# Altium PCB PCB_Core.PcbDoc (part 1 of 2)
Units mil, origin at the board's own origin, x right, y up, seen from the top; angles counter-clockwise.
Board outline 3149.61 x 3149.61 mil, 4 copper layers (Top Layer 1, GND, Power, Bottom Layer 1), stack 59.528 mil thick; 122 components, 101 nets, 562 pads, 232 vias.
Unrouted connection lines stored in the file: 17.
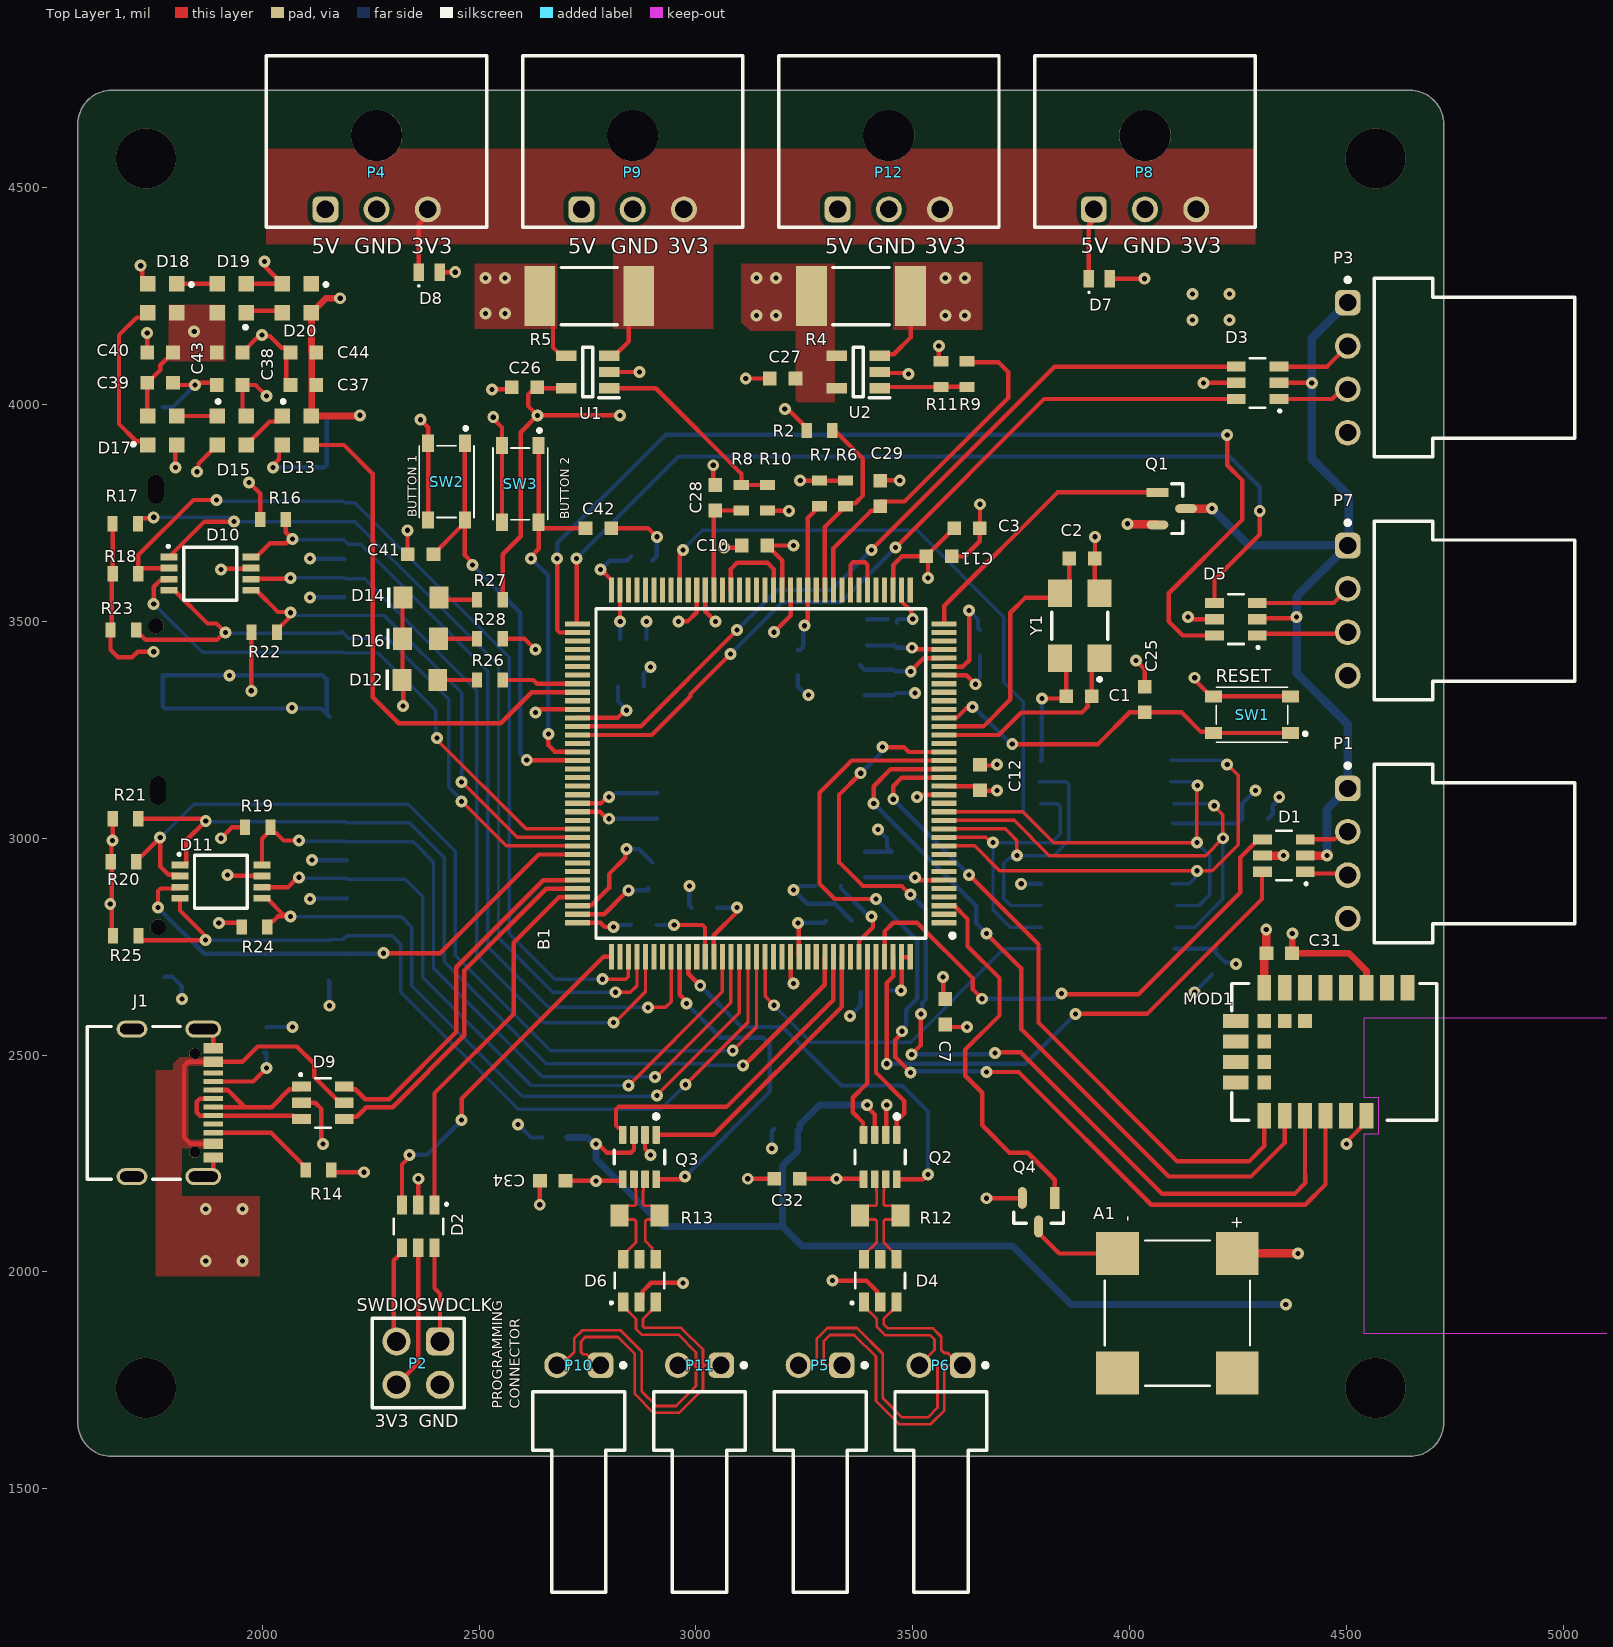
[diagram p0: Top Layer 1 view]
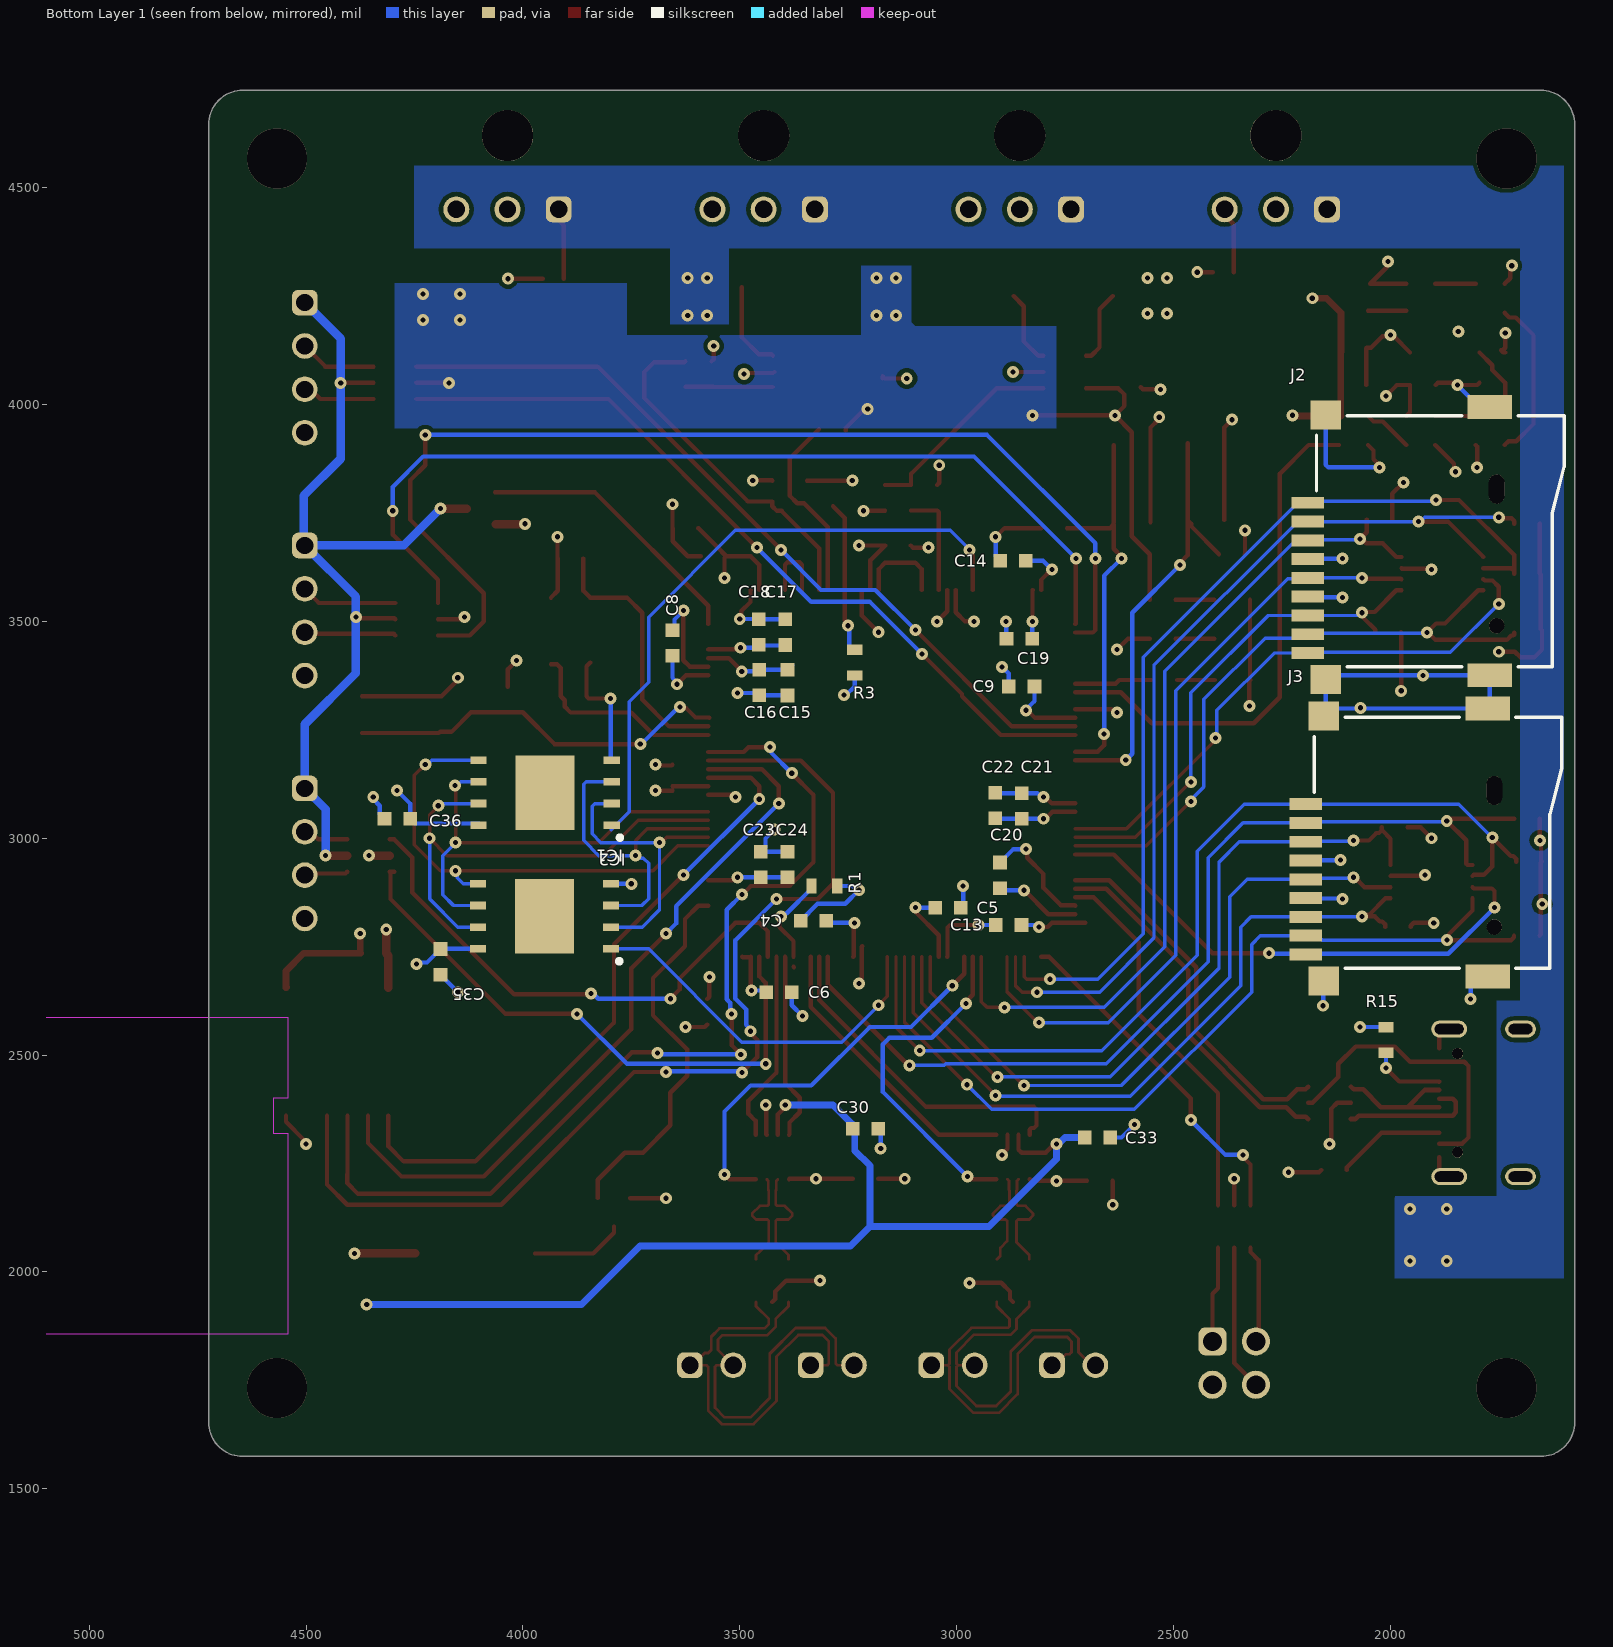
[diagram p1: Bottom Layer 1 view, seen from below]
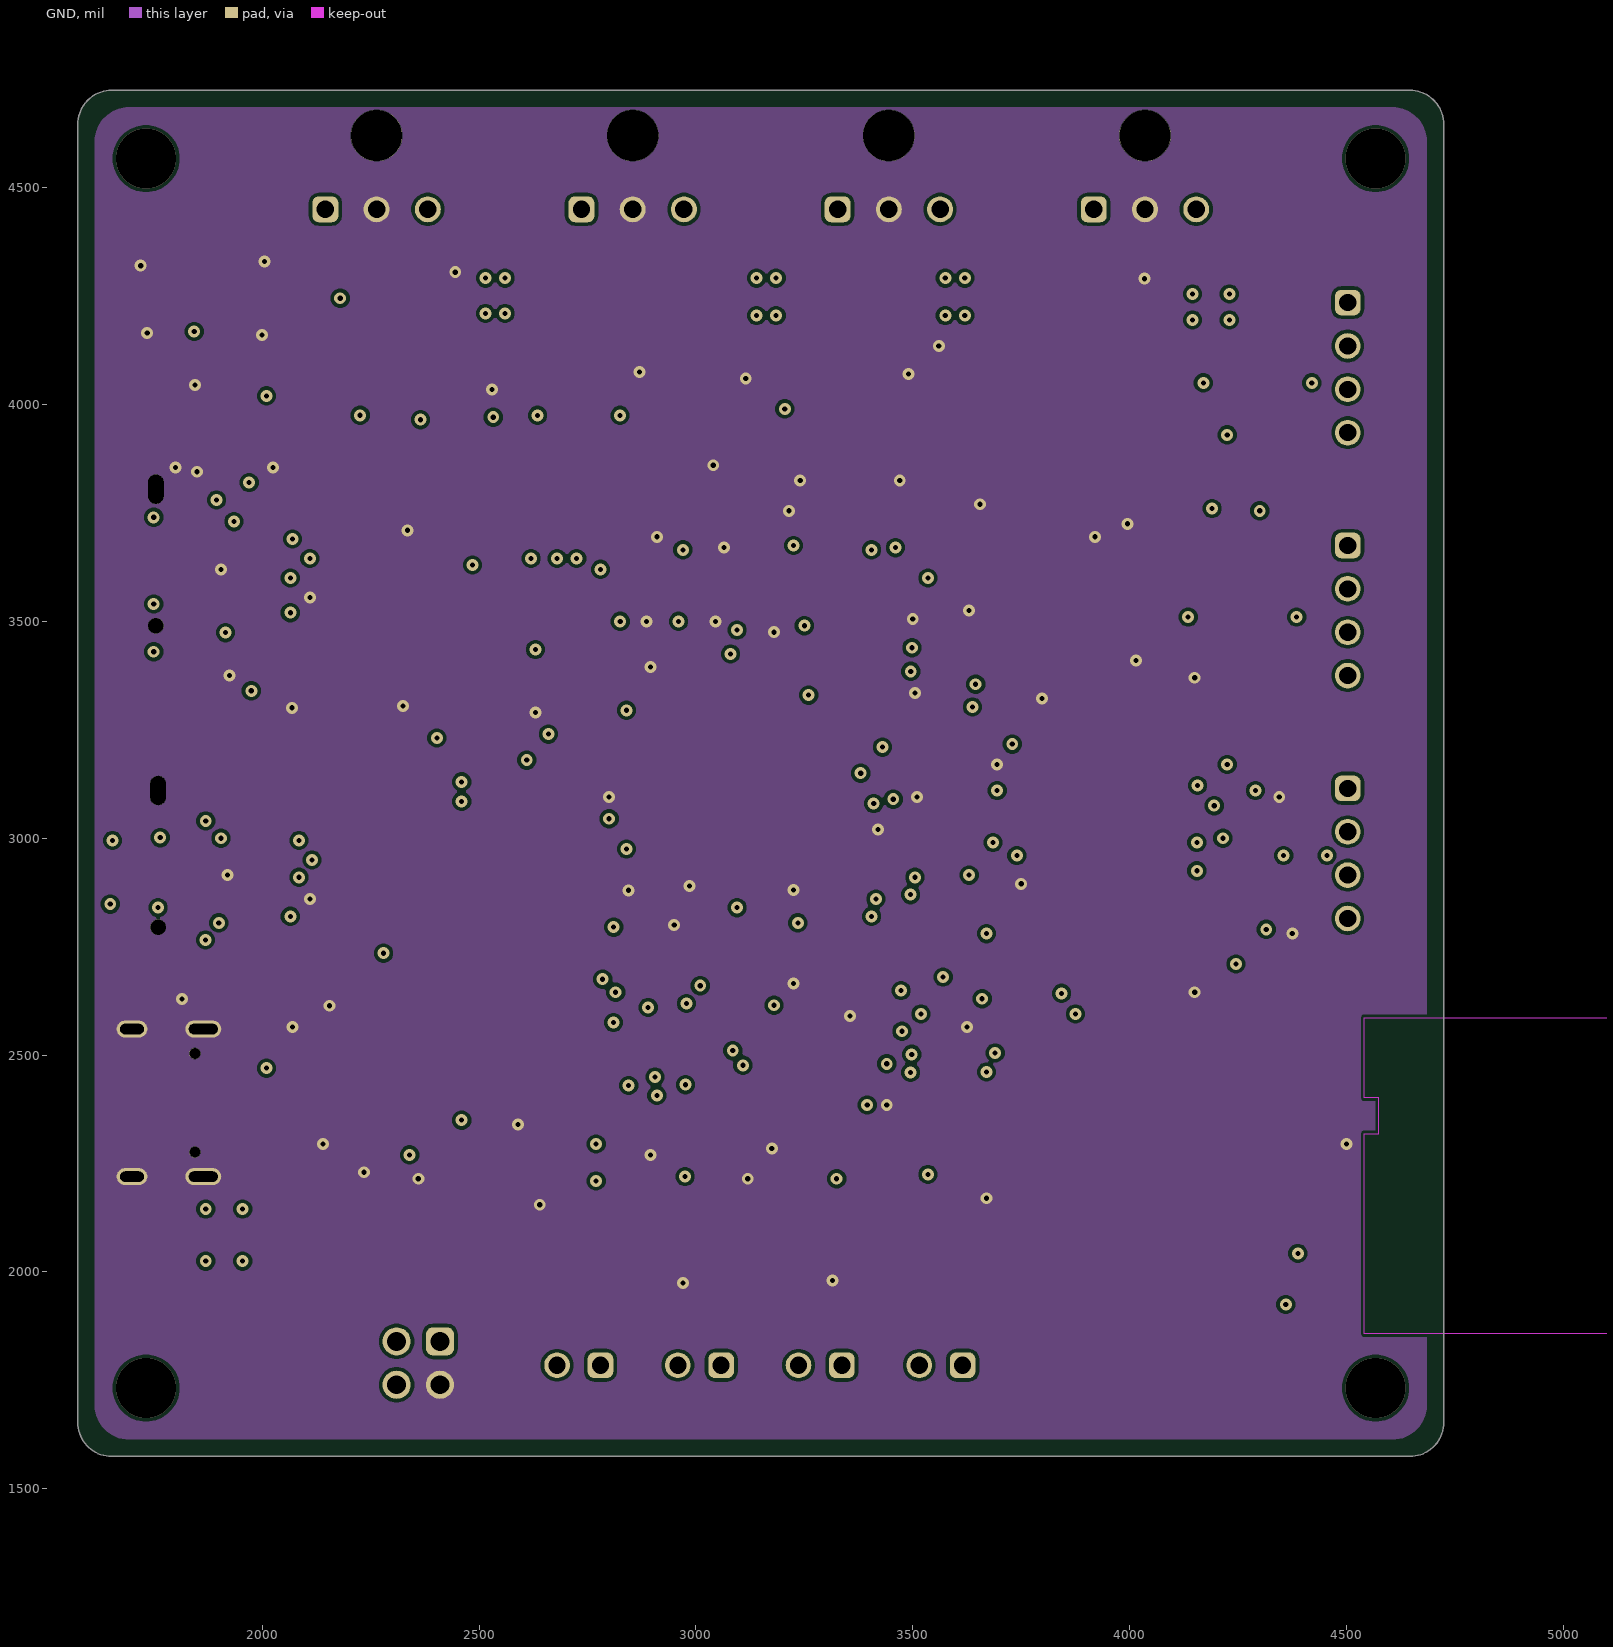
[diagram p2: GND]
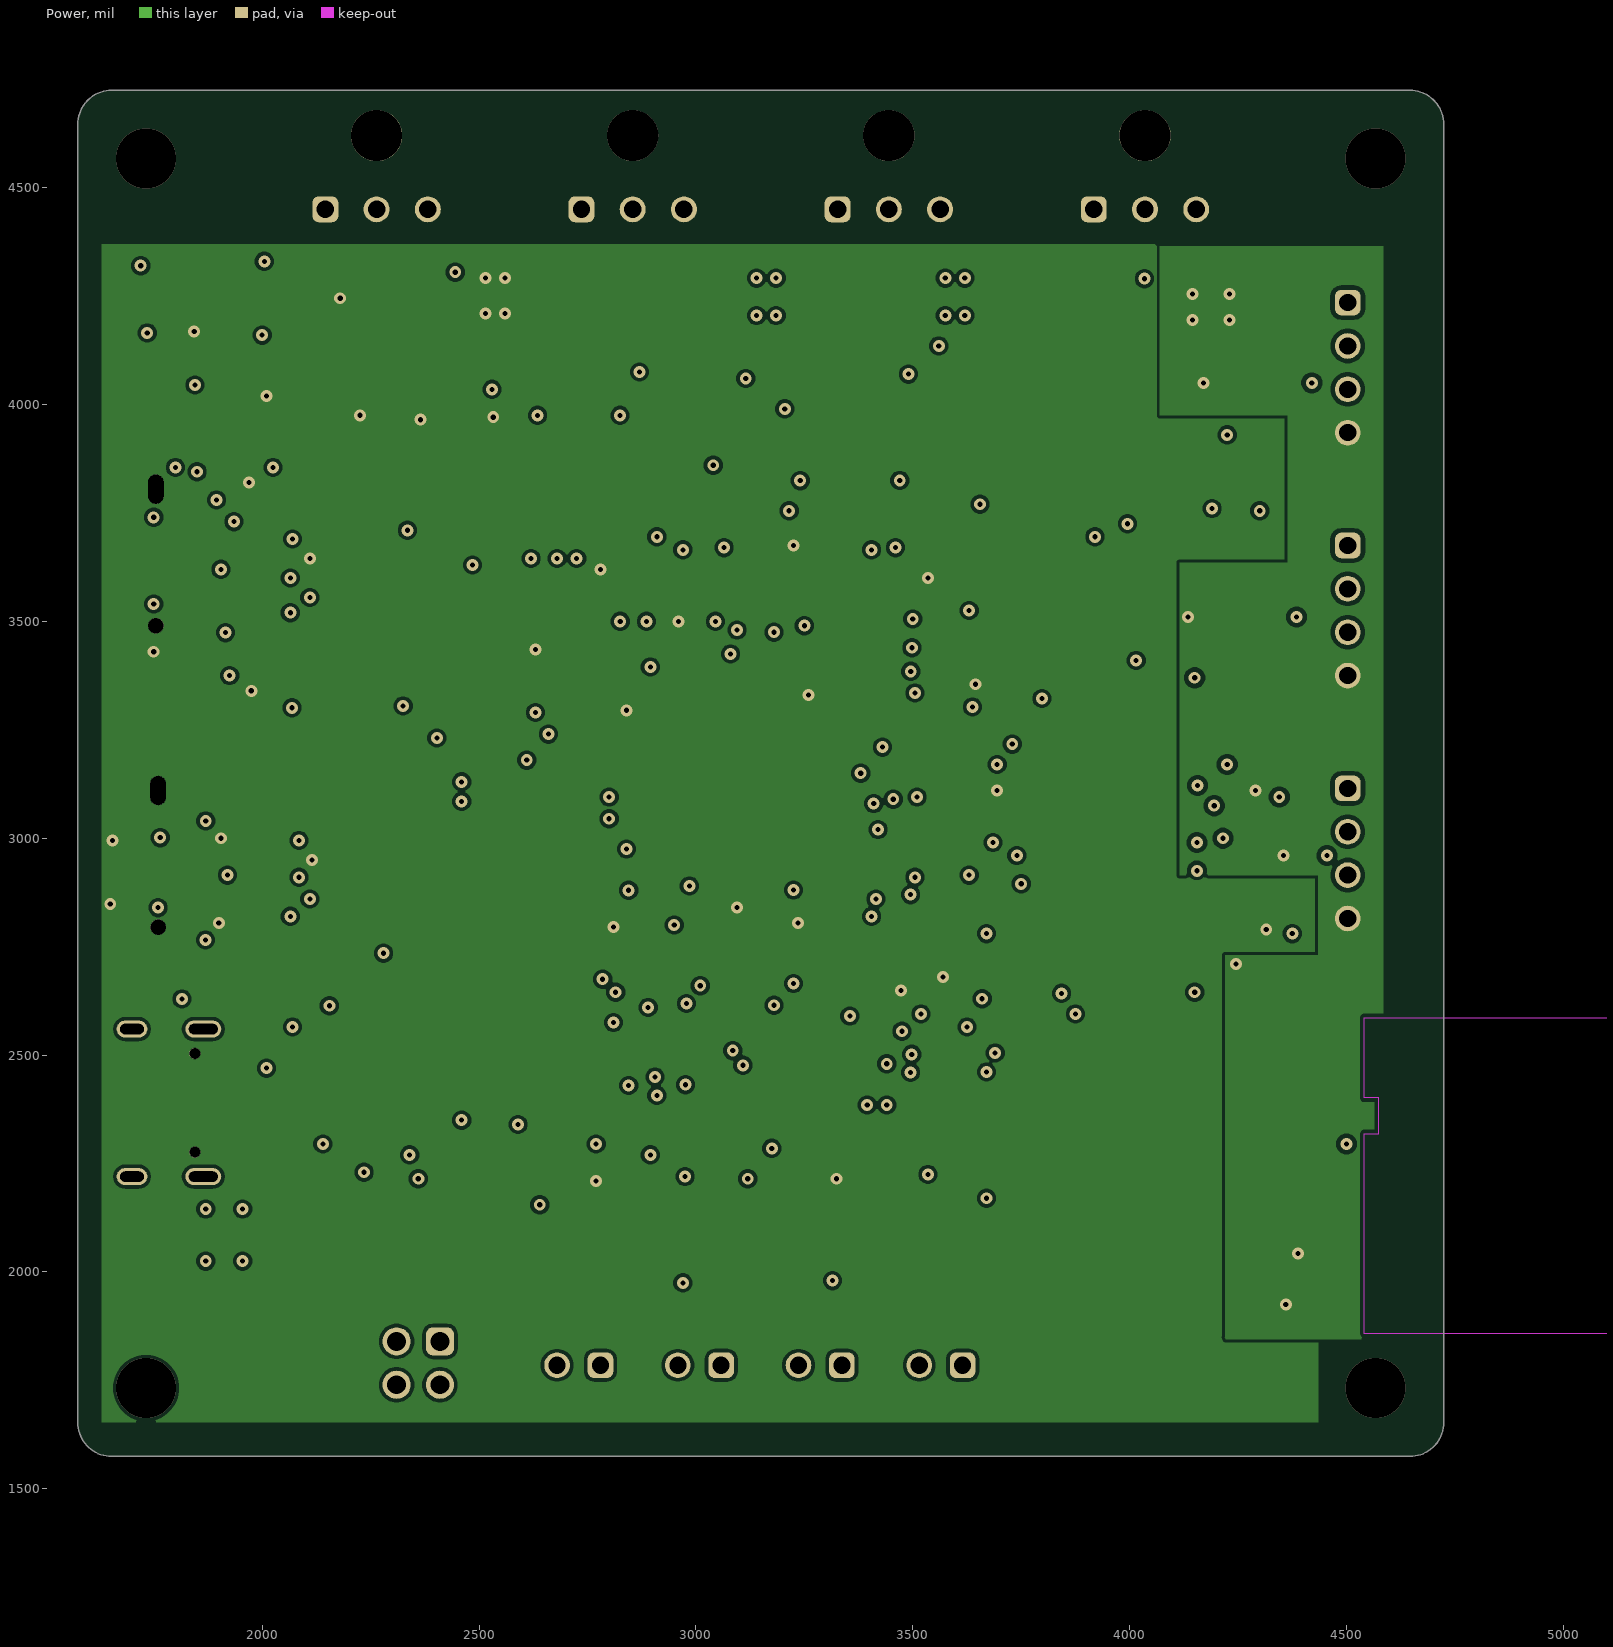
[diagram p3: Power]
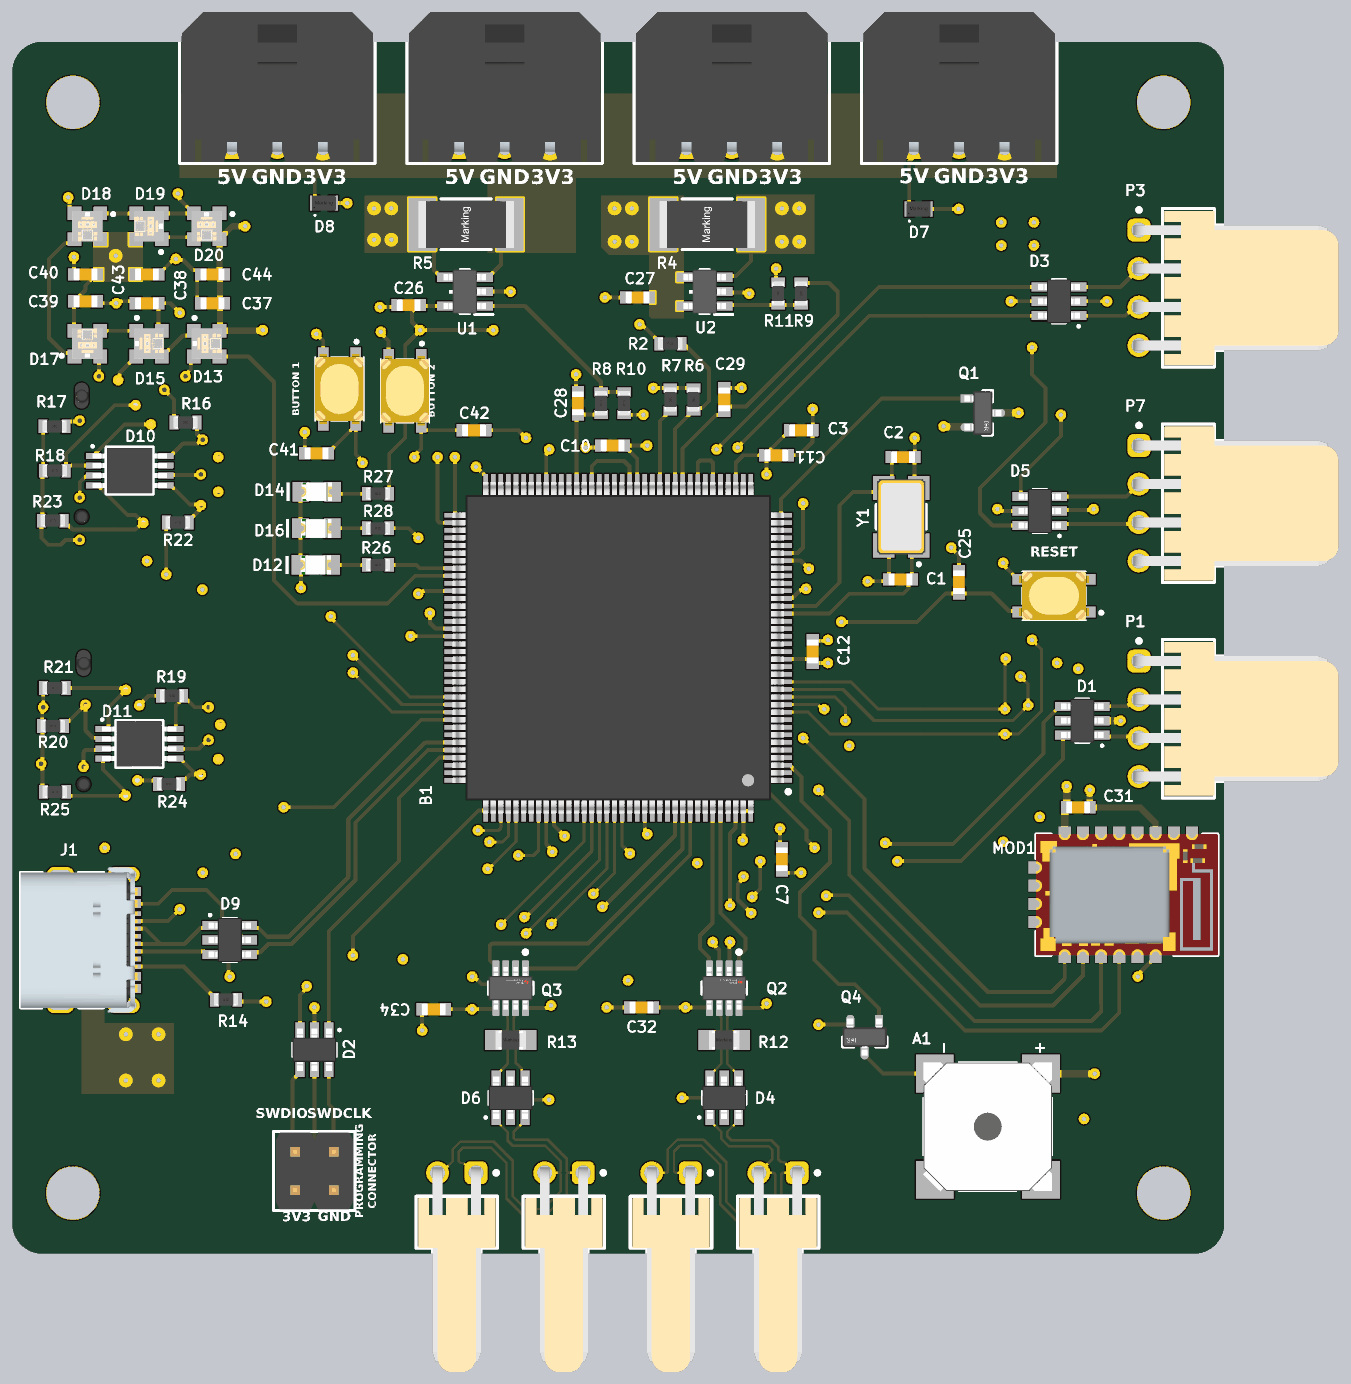
[diagram p5: 3D render of the assembled board from above, using the file's embedded part models]
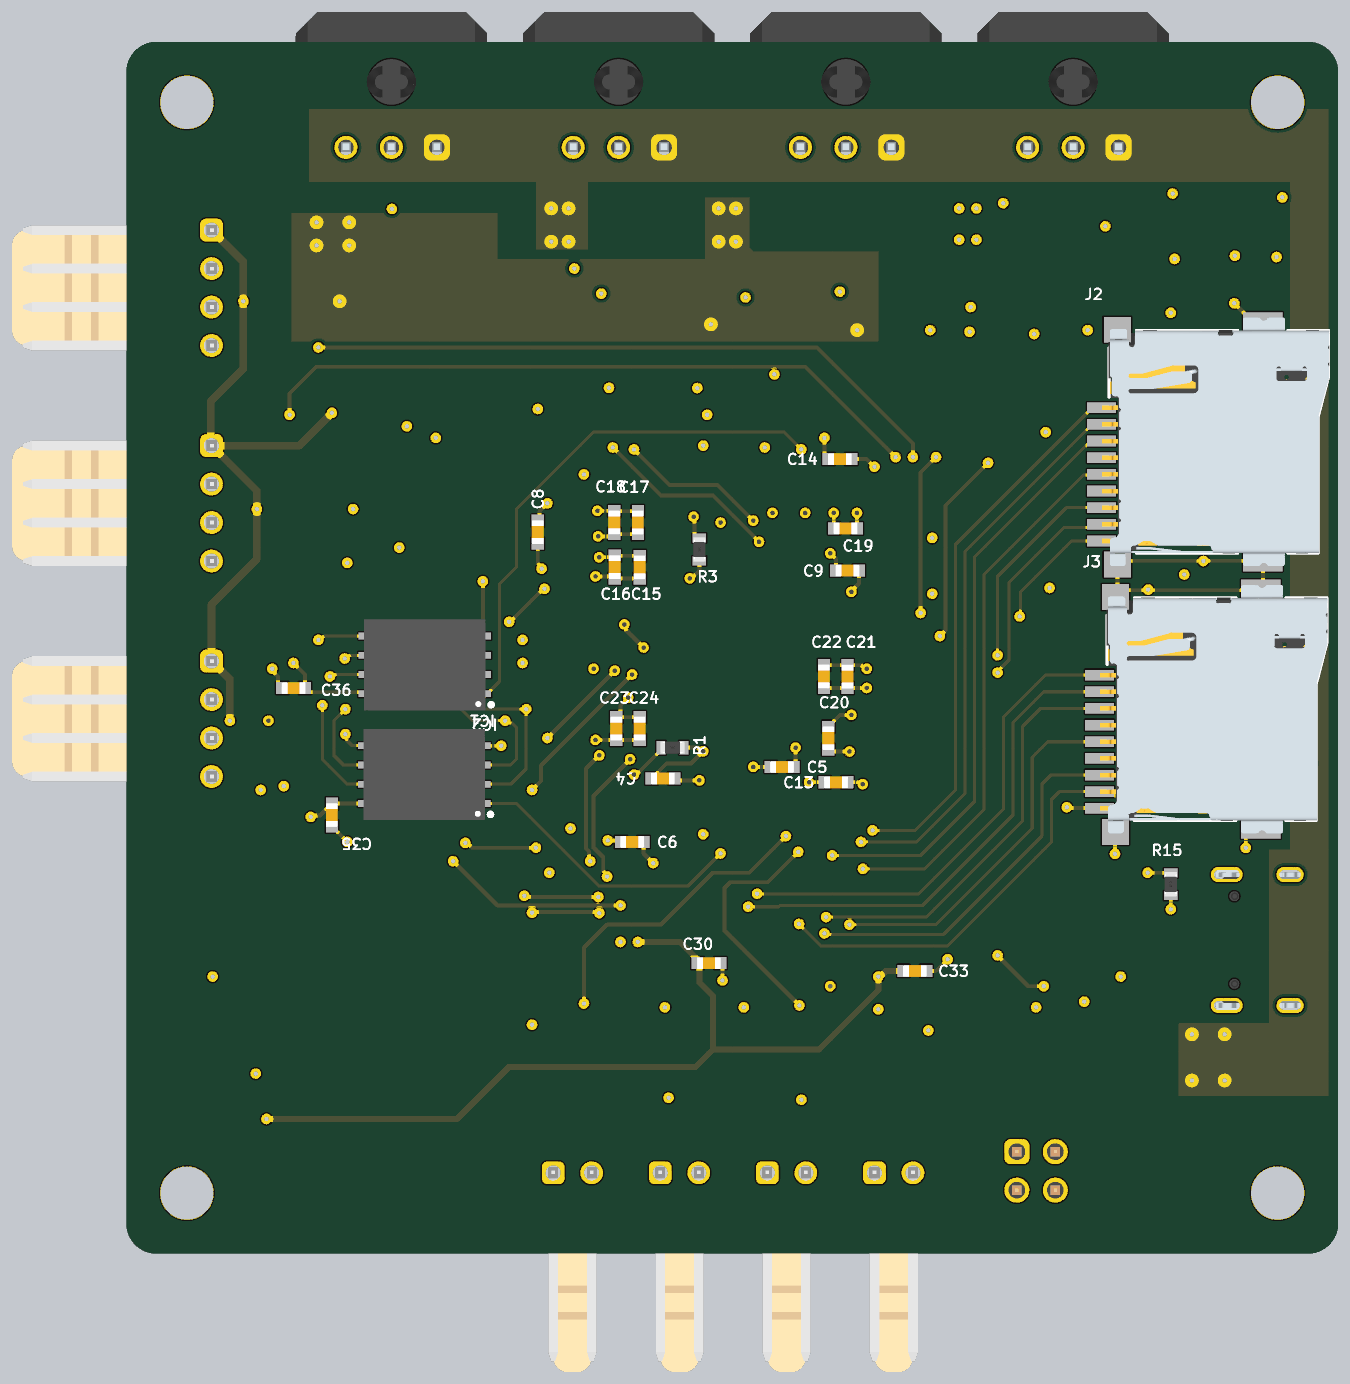
[diagram p6: 3D render of the assembled board from below, using the file's embedded part models]

## Layer stack, top to bottom
Top Solder: solder mask 0.4, Solder Resist, Dk 3.5
Top Layer 1: signal copper 0.7087
Dielectric 2: prepreg 4.7244, PP-006, Dk 4.1
GND: signal copper 0.7087
Dielectric 1: prepreg 47.2441, PP-001, Dk 3.9
Power: signal copper 0.7087
Dielectric 3: prepreg 4.7244, PP-006, Dk 4.1
Bottom Layer 1: signal copper 0.7087
Bottom Solder: solder mask 0.4, Solder Resist, Dk 3.5

## Board outline
1574.8,1653.54 1574.8,4645.67 cw(c1653.54,4645.67) 1653.54,4724.41 4645.67,4724.41 cw(c4645.67,4645.67) 4724.41,4645.67 4724.41,1653.54 cw(c4645.67,1653.54) 4645.67,1574.8 1653.54,1574.8 cw(c1653.54,1653.54)

## Design rules (kind name [scope] priority, off if disabled: settings)
AssemblyTestPointUsage [All] p1: isadvanced=TRUE
AssemblyTestpoint [All] p1: isadvanced=TRUE testpointundercomponent=TRUE minsize=40 maxsize=100 preferedsize=60 minholesize=0 maxholesize=40 preferedholesize=32 testpointgrid=1 usegrid=TRUE gridtolerance=0.01 allowsidetop=TRUE allowsidebottom=TRUE
Clearance Clearance_4 [All] p1: isadvanced=TRUE gap=7.87 ignorepadtopadclearanceinfootprint=TRUE except(0: Arc-Hole Track-Hole SMDPad-Hole THPad-Hole Via-Hole Fill-Hole Poly-Hole Region-Hole Text-Hole Hole-Hole)
Clearance Clearance_3 [All] p2: isadvanced=TRUE gap=10 ignorepadtopadclearanceinfootprint=TRUE except(0: Arc-Hole Track-Hole SMDPad-Hole THPad-Hole Via-Hole Fill-Hole Poly-Hole Region-Hole Text-Hole Hole-Hole; 7.87: Arc-Arc Arc-Track Arc-Text Track-Track Track-Text Text-Text)
Clearance Clearance_2 [All] p3: isadvanced=TRUE gap=0 ignorepadtopadclearanceinfootprint=TRUE except(10: Arc-Fill Arc-Poly Arc-Region Track-Fill Track-Poly Track-Region SMDPad-Fill SMDPad-Poly SMDPad-Region THPad-Fill THPad-Poly THPad-Region Via-Fill Via-Poly Via-Region Fill-Text Poly-Text Region-Text)
Clearance Clearance_1 [All] p4: isadvanced=TRUE gap=0 ignorepadtopadclearanceinfootprint=TRUE
Clearance Clearance_5 [(ExistsOnLayer('GND') Or ExistsOnLayer('Power')) vs (ExistsOnLayer('GND') Or ExistsOnLayer('Power'))] p5: isadvanced=TRUE gap=10 ignorepadtopadclearanceinfootprint=FALSE except(0: Arc-Hole Track-Hole SMDPad-Hole THPad-Hole Via-Hole Fill-Hole Poly-Hole Region-Hole Text-Hole Hole-Hole)
Clearance Clearance_6 [(ExistsOnLayer('Top Layer 1') Or ExistsOnLayer('Bottom Layer 1')) vs (ExistsOnLayer('Top Layer 1') Or ExistsOnLayer('Bottom Layer 1'))] p6: isadvanced=TRUE gap=10 ignorepadtopadclearanceinfootprint=FALSE except(0: Arc-Hole Track-Hole SMDPad-Hole THPad-Hole Via-Hole Fill-Hole Poly-Hole Region-Hole Text-Hole Hole-Hole)
Clearance Clearance_1 [(ExistsOnLayer('GND') Or ExistsOnLayer('Power')) vs (ExistsOnLayer('GND') Or ExistsOnLayer('Power'))] p7: gap=10 ignorepadtopadclearanceinfootprint=FALSE except(0: Arc-Hole Track-Hole SMDPad-Hole THPad-Hole Via-Hole Fill-Hole Poly-Hole Region-Hole Text-Hole Hole-Hole) sourcerule=61 cellrowname=All cellrowtype=0 cellcolname=All cellcoltype=0 innerlayers=TRUE
Clearance Clearance_2 [(ExistsOnLayer('Top Layer 1') Or ExistsOnLayer('Bottom Layer 1')) vs (ExistsOnLayer('Top Layer 1') Or ExistsOnLayer('Bottom Layer 1'))] p8: gap=10 ignorepadtopadclearanceinfootprint=FALSE except(0: Arc-Hole Track-Hole SMDPad-Hole THPad-Hole Via-Hole Fill-Hole Poly-Hole Region-Hole Text-Hole Hole-Hole) sourcerule=61 cellrowname=All cellrowtype=0 cellcolname=All cellcoltype=0 outerlayers=TRUE
Clearance [All] p9: gap=10 ignorepadtopadclearanceinfootprint=FALSE ismatrix=TRUE
ComponentClearance [All] p1: isadvanced=TRUE gap=10 collisioncheckmode=3 verticalgap=10 showdistances=FALSE
DiffPairsRouting DifferentialPairsRouting_2 [All] p1: isadvanced=TRUE maxlimit=7.87 minlimit=5 mostfreqgap=7.87 toplayer_mingap=7.87 toplayer_minwidth=10.63 toplayer_maxwidth=10.63 toplayer_prefwidth=10.63 midlayer1_maxgap=5 midlayer1_prefgap=5 midlayer1_minwidth=5.01 midlayer1_maxwidth=5.01 midlayer1_prefwidth=5.01 midlayer2_maxgap=5 midlayer2_prefgap=5 midlayer2_minwidth=5.01 midlayer2_maxwidth=5.01 midlayer2_prefwidth=5.01 bottomlayer_mingap=7.87 bottomlayer_minwidth=10.63 bottomlayer_maxwidth=10.63 bottomlayer_prefwidth=10.63 impedanceprofiledriven=TRUE impedanceprofileid={C7AB29C5-4EC9-4EA7-AC17-2A5F85C36F05} impedanceprofilevalue=90.000000 maxuncoupledlength=39.37
DiffPairsRouting DifferentialPairsRouting_1 [All] p2: isadvanced=TRUE maxlimit=9.45 minlimit=5 mostfreqgap=9.45 toplayer_mingap=9.45 toplayer_minwidth=6.3 toplayer_maxwidth=6.3 toplayer_prefwidth=6.3 midlayer1_maxgap=5 midlayer1_prefgap=5 midlayer1_minwidth=2.03 midlayer1_maxwidth=2.03 midlayer1_prefwidth=2.03 midlayer2_maxgap=5 midlayer2_prefgap=5 midlayer2_minwidth=2.03 midlayer2_maxwidth=2.03 midlayer2_prefwidth=2.03 bottomlayer_mingap=9.45 bottomlayer_minwidth=6.3 bottomlayer_maxwidth=6.3 bottomlayer_prefwidth=6.3 impedanceprofiledriven=TRUE impedanceprofileid={F3A0A096-4400-4E32-99E6-23501195EE2D} impedanceprofilevalue=120.000000 maxuncoupledlength=10
DiffPairsRouting [All] p3: maxlimit=10 minlimit=10 mostfreqgap=10 toplayer_minwidth=15 toplayer_maxwidth=15 toplayer_prefwidth=15 midlayer1_minwidth=15 midlayer1_maxwidth=15 midlayer1_prefwidth=15 midlayer2_minwidth=15 midlayer2_maxwidth=15 midlayer2_prefwidth=15 bottomlayer_minwidth=15 bottomlayer_maxwidth=15 bottomlayer_prefwidth=15 maxuncoupledlength=500